# Altium PCB PCB1.PcbDoc
Units mm, origin at the board's own origin, x right, y up, seen from the top; angles counter-clockwise.
Board outline 152.4 x 101.6 mm, 4 copper layers (Top Layer, Mid-Layer 1, Mid-Layer 2, Bottom Layer); 63 components, 0 nets, 98 pads, 239 vias.
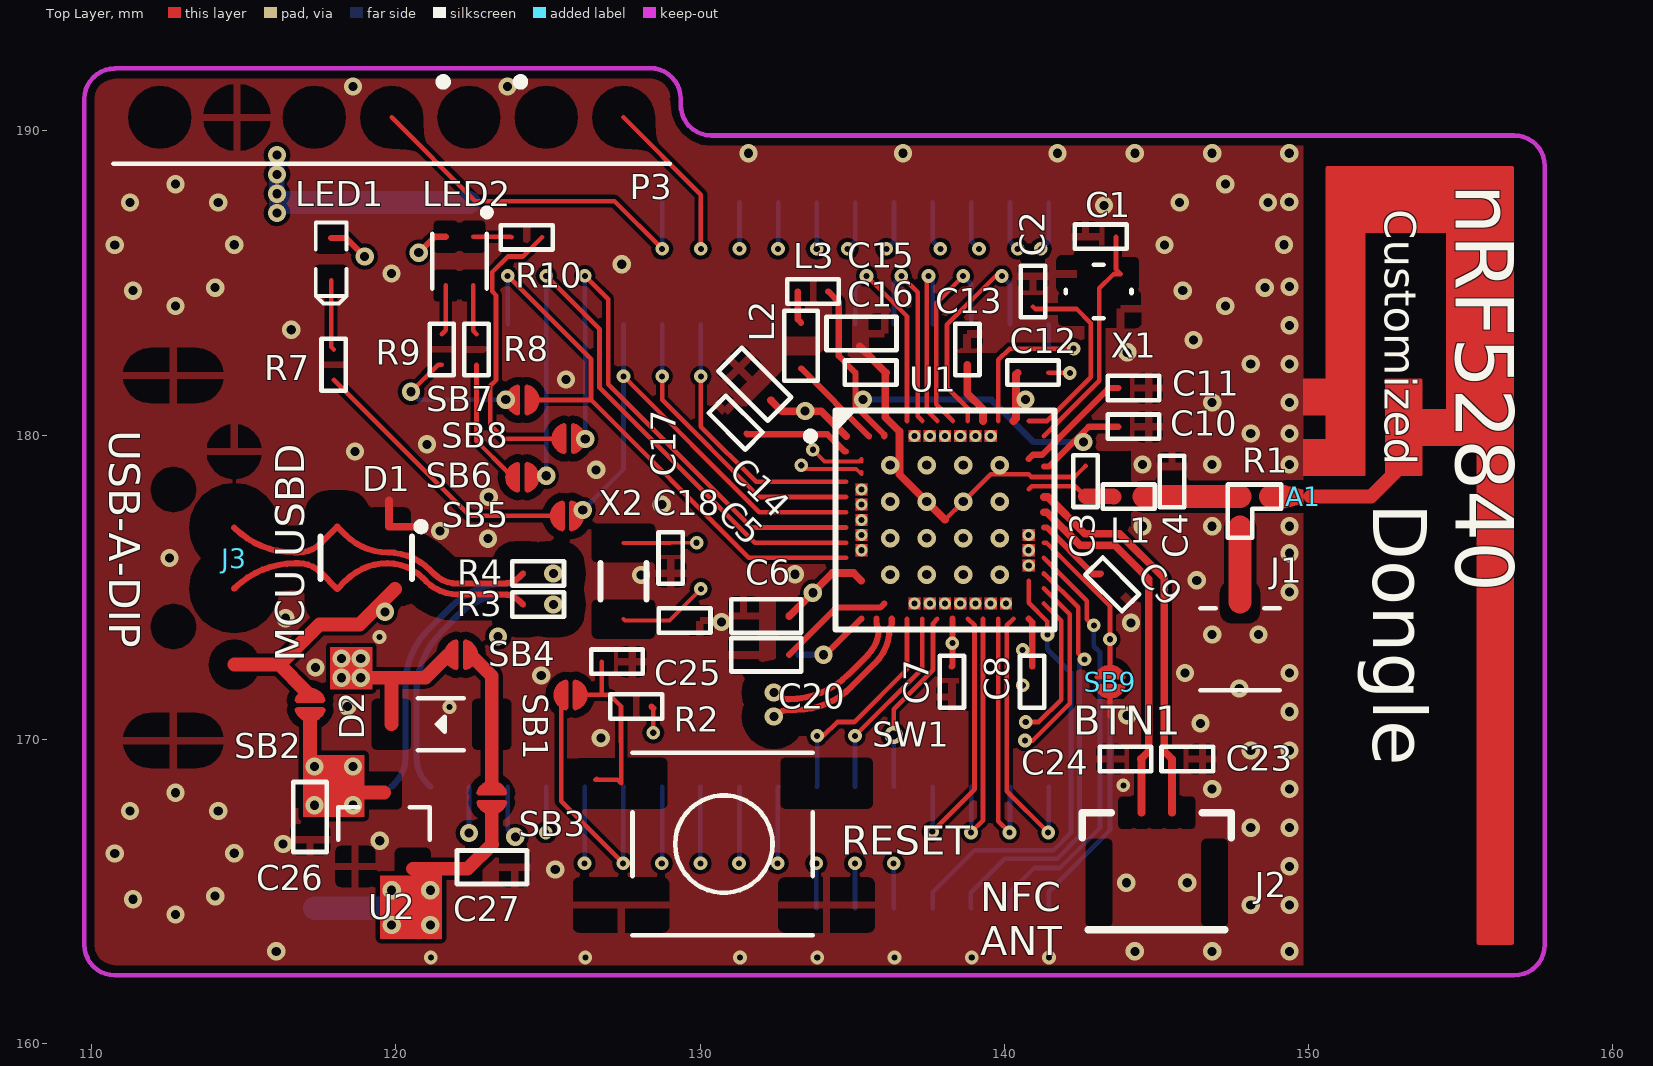
[diagram p0: Top Layer view]
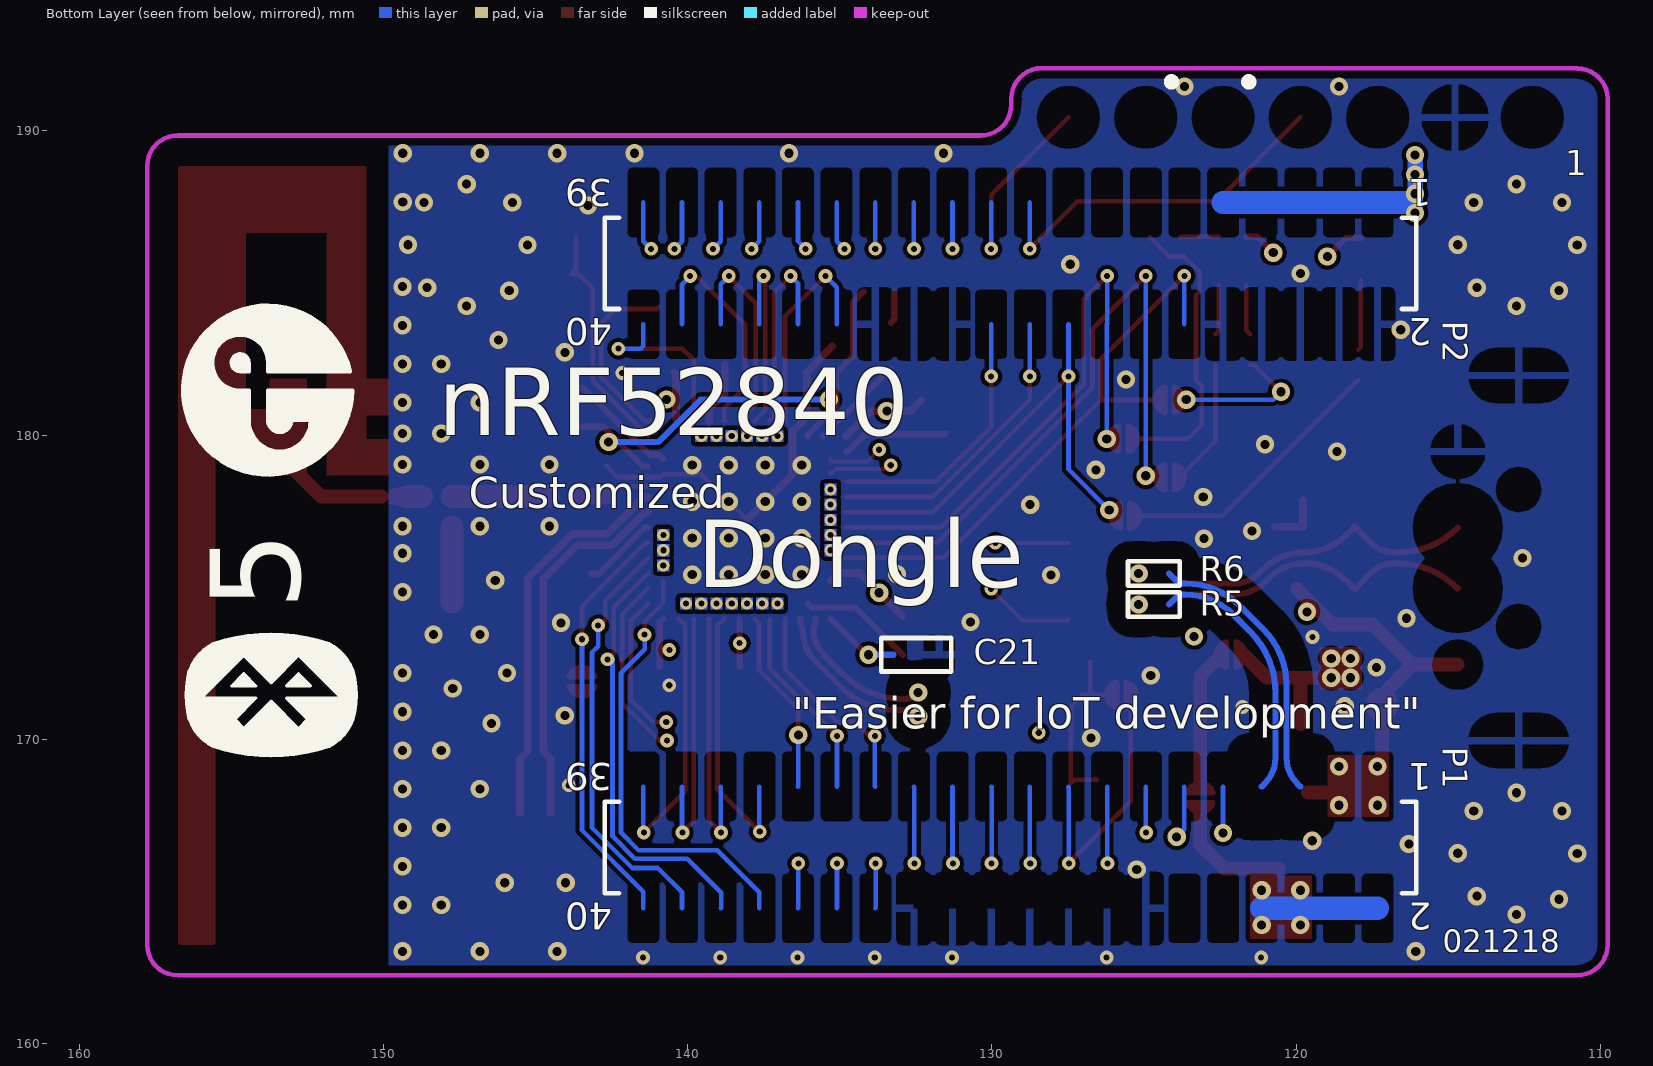
[diagram p1: Bottom Layer view, seen from below]
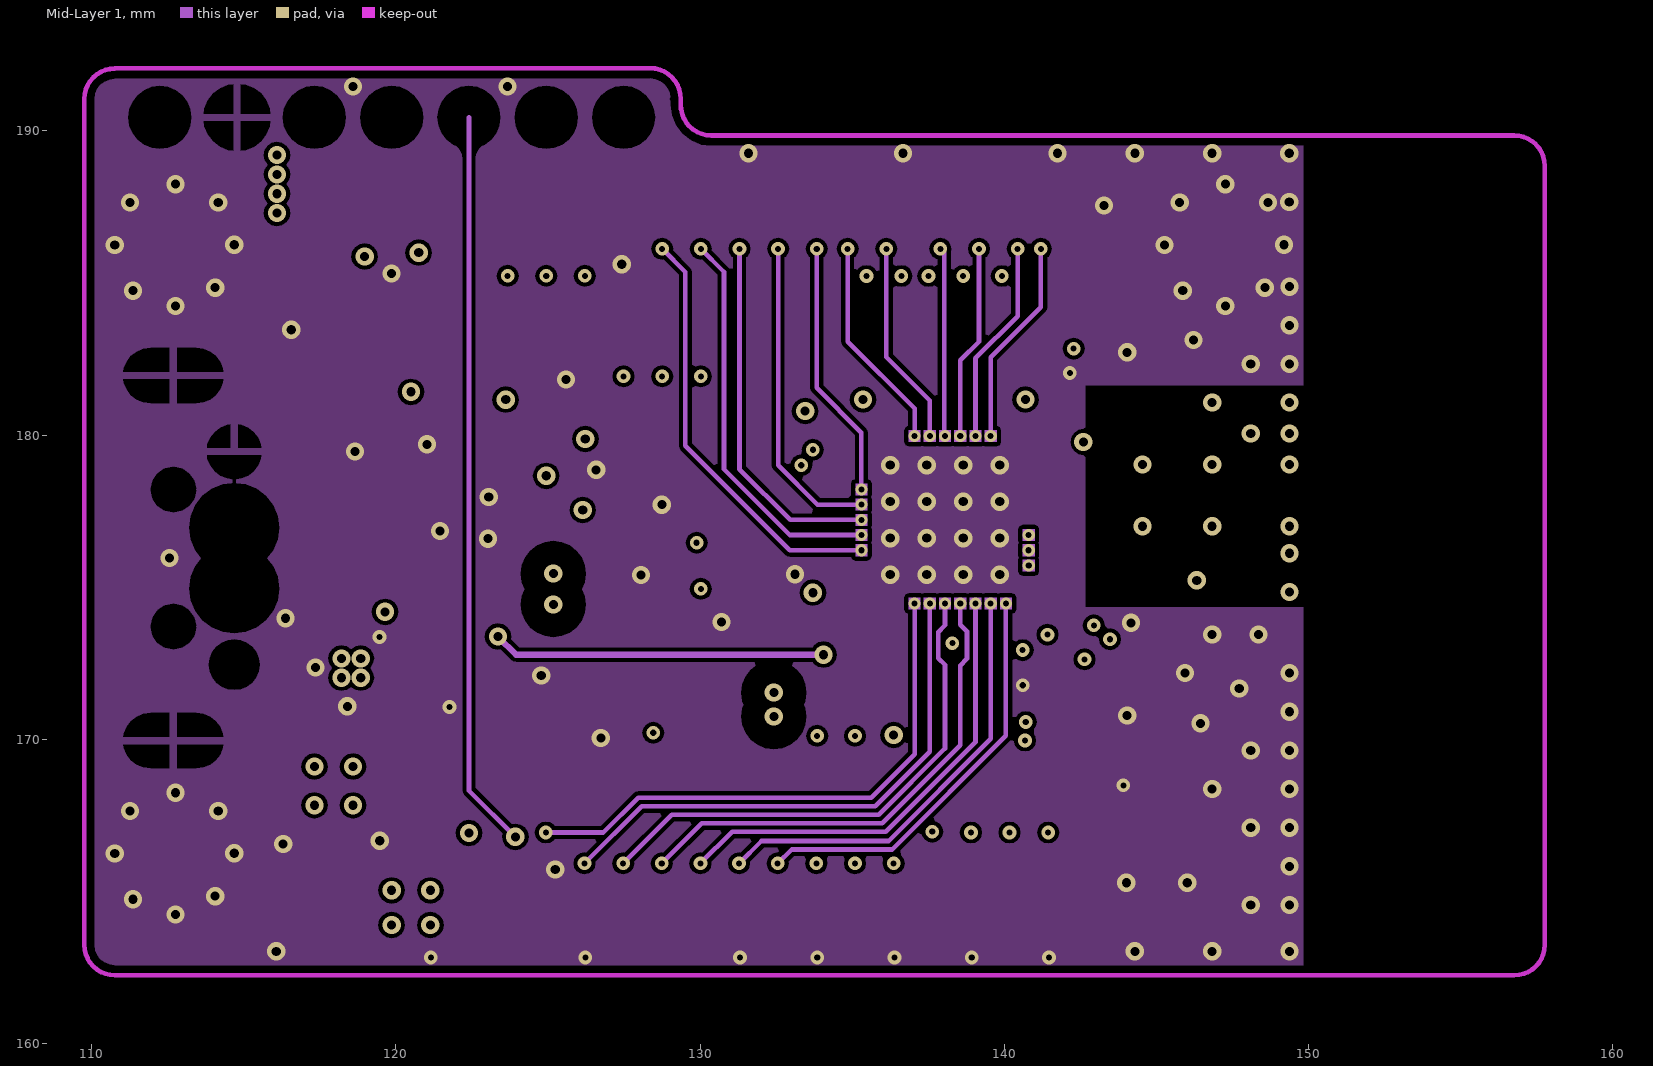
[diagram p2: Mid-Layer 1]
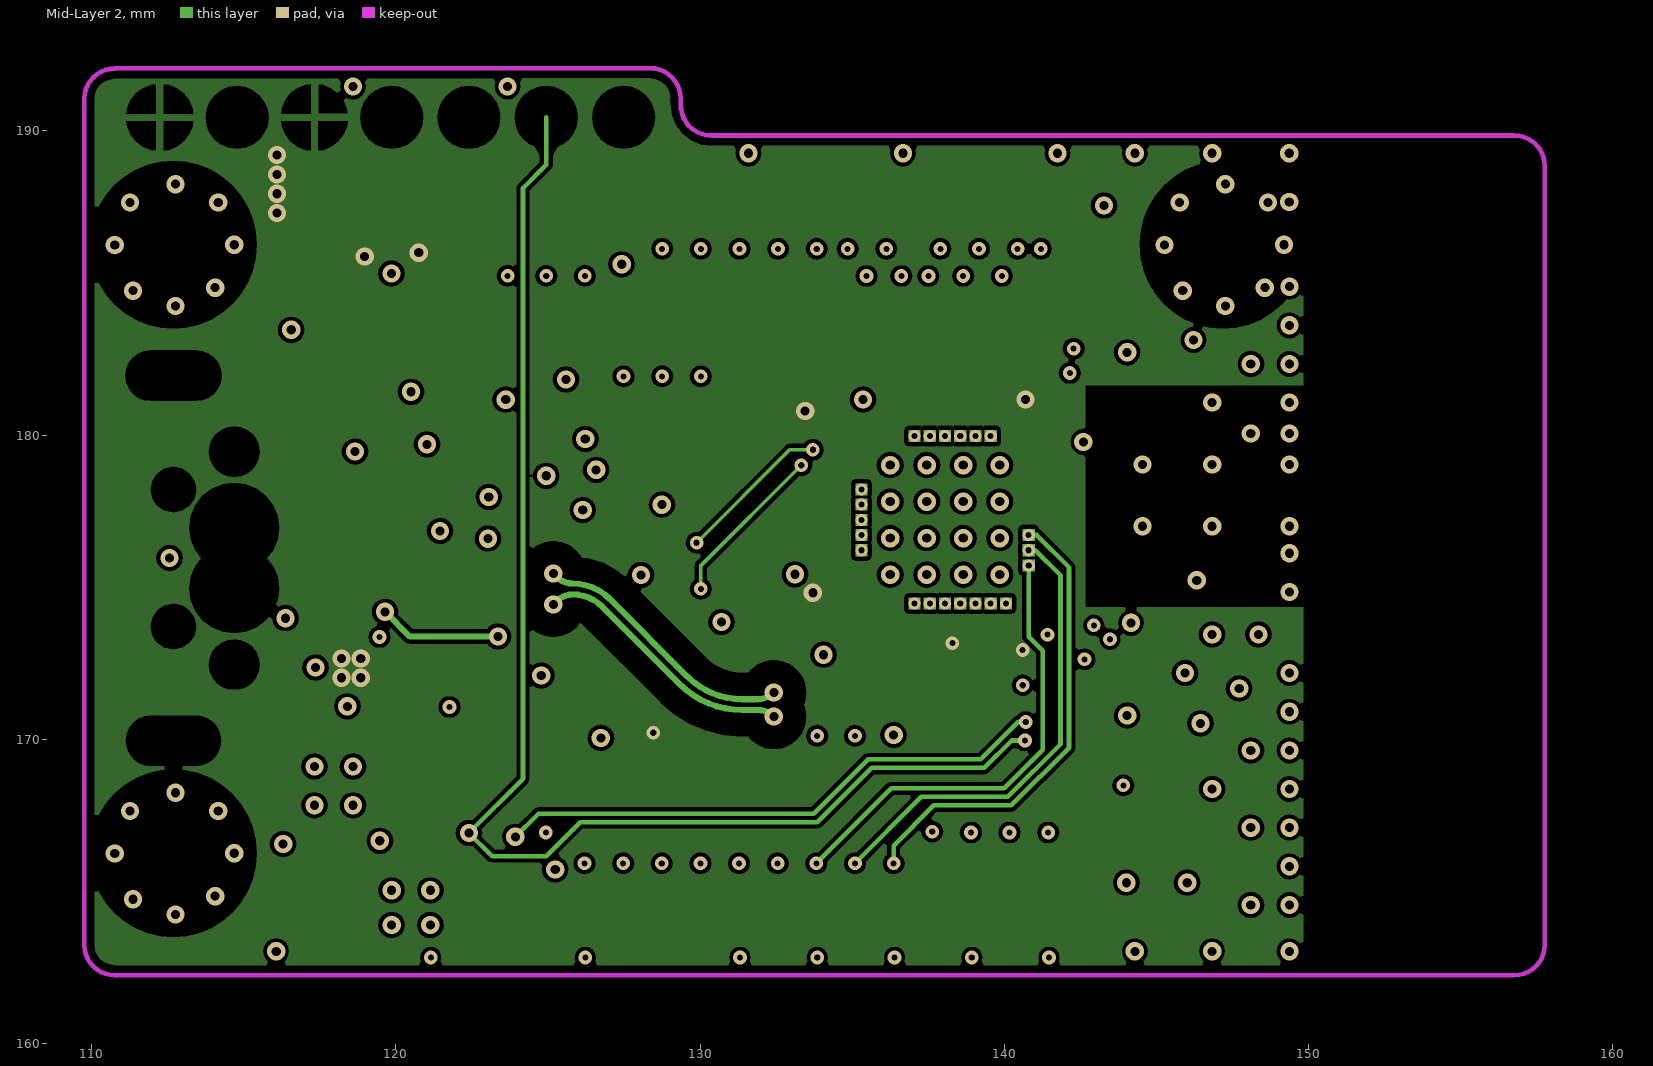
[diagram p3: Mid-Layer 2]

## Layer stack, top to bottom
Top Solder: solder mask 0.0102, Solder Resist, Dk 3.5
Top Layer: signal copper 0.0356
Dielectric 1: dielectric 0.32, FR-4, Dk 4.8
Mid-Layer 1: signal copper 0.0356
Dielectric3: dielectric 0.32, FR-4, Dk 4.8
Mid-Layer 2: signal copper 0.0356
Dielectric2: dielectric 0.32, FR-4, Dk 4.8
Bottom Layer: signal copper 0.0356
Bottom Solder: solder mask 0.0102, Solder Resist, Dk 3.5

## Board outline
25.4,25.4 177.8,25.4 177.8,127 25.4,127

## Design rules (kind name [scope] priority, off if disabled: settings)
Clearance [All] p1: gap=0.254 ignorepadtopadclearanceinfootprint=FALSE except(0: Arc-Hole Track-Hole SMDPad-Hole THPad-Hole Via-Hole Fill-Hole Poly-Hole Region-Hole Text-Hole)
PolygonConnect [All] p1: connectstyle=Relief reliefconductorwidth=0.254 reliefentries=4 polygonreliefangle="90 Angle" airgapwidth=0.254
RoutingVias [All] p1: holewidth=0.711 width=1.27 viastyle="Through Hole" minholewidth=0.711 minwidth=1.27 maxholewidth=0.711 maxwidth=1.27
SolderMaskExpansion [All] p1: expansion=0.102
Width [All] p1: maxlimit=0.254 minlimit=0.254 preferedwidth=0.254
30 further rules are at their usual default settings.

## Components (designator, comment, footprint, x,y, rotation, side; value= is the part's Value field where it differs from the comment)
A1 "IFA Antenna" IFA_ANTENNA 149.831,177.98 r270 top
C1 "12pF" "0402 imperial"#1 143.17,186.526 r180 top
C2 "12pF" "0402 imperial"#1 140.943,184.723 r90 top
C3 "1.0pF" "0402 imperial"#1 142.668,178.488 r270 top
C4 "1.0pF" "0402 imperial"#1 145.513,178.48 r270 top
C5 "100nF" "0402 imperial"#1 131.169,180.41 r315 top
C6 "4.7µF" 0603_Imperial#1 132.18,174.055 r0 top
C7 "100nF" "0402 imperial"#1 138.276,171.896 r90 top
C8 "100nF" "0402 imperial"#1 140.918,171.896 r90 top
C9 "820pF" "0402 imperial"#1 143.551,175.096 r135 top
C10 "N.C." "0402 imperial"#1 144.245,180.278 r0 top
C11 "100pF" "0402 imperial"#1 144.245,181.548 r0 top
C12 "100nF" "0402 imperial"#1 140.943,182.056 r180 top
C13 "N.C." "0402 imperial"#1 138.784,182.818 r270 top
C14 "1µF" 0603_Imperial#1 131.799,181.675 r315 top
C15 "1µF" 0603_Imperial#1 135.309,183.345 r180 top
C16 "47nF" "0402 imperial"#1 135.609,182.056 r180 top
C17 "12pF" "0402 imperial"#1 129.035,175.965 r90 top
C18 "12pF" "0402 imperial"#1 129.493,173.908 r180 top
C20 "4.7µF" 0603_Imperial#1 132.18,172.785 r0 top
C21 "4.7µF" 0603_Imperial#2 132.485,172.785 r0 bottom
C23 "300pF" "0402 imperial"#1 146.015,169.356 r0 top
C24 "300pF" "0402 imperial"#1 143.983,169.356 r0 top
C25 "100nF" "0402 imperial"#1 127.27,172.556 r180 top
C26 "1µF" 0603_Imperial#1 117.186,167.451 r90 top
C27 "1µF" 0603_Imperial#1 123.163,165.8 r180 top
D1 "PRTR5V0U2X" SOT190P230X110-4L 119.03,175.969 r270 top
D2 "DIODE S4" SOD-123 119.855,170.499 r0 top
J1 "Ipex" HRS_U.FL-R-SMT 147.748,172.976 r180 top
J2 "FPC 0.5mm RA SMD" FPC_05P-0.5mm-RA-SMD 145.012,163.842 r0 top
J3 "USB-A-Male" USB-A-DIP 114.691,175.96 r270 top
L1 "3.9nH" "0402 imperial"#1 144.091,177.98 r0 top
L2 "10µH" 0603_Imperial#1 133.323,182.945 r90 top
L3 "15nH" "0402 imperial"#1 133.712,184.723 r0 top
LED1 "Green" LED_0603 117.877,185.088 r90 top
LED2 "RGB" LED_0603_RGB 122.095,185.723 r270 top
P1 "*" CONN1.27MM2x20_FM_SMD 116.691,166.451 r0 bottom
P2 "*" CONN1.27MM2x20_FM_SMD 116.691,185.649 r0 bottom
P3 "7p, 2.54mm" CONN2.54MM7P 112.246,190.443 r0 top
R1 "Res Selector" RES_SELECTOR_0402 147.748,177.98 r0 top value=0R
R2 "100K" "0402 imperial"#1 127.905,171.083 r0 top
R3 "0R" "0402 imperial"#1 124.679,174.436 r0 top
R4 "0R" "0402 imperial"#1 124.679,175.452 r0 top
R5 "0R" "0402 imperial"#2 124.679,174.436 r0 bottom
R6 "0R" "0402 imperial"#2 124.679,175.452 r0 bottom
R7 "10K" "0402 imperial"#1 117.961,182.315 r90 top
R8 "xx" "0402 imperial"#1 122.655,182.818 r90 top
R9 "xx" "0402 imperial"#1 121.512,182.818 r90 top
R10 "xx" "0402 imperial"#1 124.306,186.501 r180 top
SB1 "Solderbridge" Solderbridge#1 125.746,171.464 r0 top
SB2 "Solderbridge" Solderbridge#1 117.186,171.134 r270 top
SB3 "Solderbridge" Solderbridge#2 123.155,168.086 r270 top
SB4 "Solderbridge" Solderbridge#3 122.139,172.785 r0 top
SB5 "Solderbridge" Solderbridge#2 125.625,177.347 r0 top
SB6 "Solderbridge" Solderbridge#3 124.16,178.617 r0 top
SB7 "Solderbridge" Solderbridge#1 124.16,181.157 r0 top
SB8 "Solderbridge" Solderbridge#1 125.684,179.887 r0 top
SB9 "Solderbridge" Solderbridge#1 143.475,171.896 r270 top
SW1 "PB SW" Switch-PB-6.2x6.3mm-SMD 130.783,166.562 r180 top
U1 "nRF52840-QIAA" AQFN50P700X700X85_HS-74N 138.052,177.218 r0 top
U2 "XC6206P332MR" SOT-23 119.612,167.075 r0 top
X1 "32MHz" XTAL_2016 143.102,184.723 r180 top
X2 "32.768kHz" XTAL_3215 127.486,175.203 r90 top

## Footprints (in the part's own frame and the unit in brackets; to place one, negate y for a bottom-side part, rotate by r counter-clockwise, add the part's x,y. Pads: shape width x height; smd on the part's side, far side on the other; paste and mask are expansions set on the pad)
"0402 imperial"#1 [mm] "R, L, C"
  silkscreen extent -0.85,-0.4 0.85,0.4, body extent -0.51,-0.25 0.51,0.25, height 0.5
"0402 imperial"#2 [mm] "R, L, C"
  rect 0.5x0.6 on Top Paste: 1(-0.5,0) 2(0.5,0)
  silkscreen extent -0.85,-0.4 0.85,0.4, body extent -0.51,-0.25 0.51,0.25, height 0.5
0603_Imperial#1 [mm]
  silkscreen extent -1.15,-0.55 1.15,0.55, body extent -0.8,-0.43 0.8,0.43, height 0.8
0603_Imperial#2 [mm]
  rect 0.6x0.9 on Top Paste: 1(-0.75,0) 2(0.75,0)
  silkscreen extent -1.15,-0.55 1.15,0.55, body extent -0.8,-0.43 0.8,0.43, height 0.8
AQFN50P700X700X85_HS-74N [mm]
  silkscreen extent -4.55,-3.6 3.6,3.6, body extent -3.55,-3.55 3.55,3.55, height 0.85
CONN1.27MM2x20_FM_SMD [mm]
  rect 0.76x2 on Top Paste: 1(0.635,-2) 2(0.635,2) 3(1.905,-2) 4(1.905,2) 5(3.175,-2) 6(3.175,2) 7(4.445,-2) 8(4.445,2) 9(5.715,-2) 10(5.715,2) 11(6.985,-2) 12(6.985,2) 13(8.255,-2) 14(8.255,2) 15(9.525,-2) 16(9.525,2) 17(10.795,-2) 18(10.795,2) 19(12.065,-2) 20(12.065,2) 21(13.335,-2) 22(13.335,2) 23(14.605,-2) 24(14.605,2) 25(15.875,-2) 26(15.875,2) 27(17.145,-2) 28(17.145,2) 29(18.415,-2) 30(18.415,2) 31(19.685,-2) 32(19.685,2) 33(20.955,-2) 34(20.955,2) 35(22.225,-2) 36(22.225,2) 37(23.495,-2) 38(23.495,2) 39(24.765,-2) 40(24.765,2)
  silkscreen extent -0.64,-1.5 26.04,1.5, body extent -0.61,-1.49 26.04,1.5, height 4.3
CONN2.54MM7P [mm]
  silkscreen extent -1.52,-1.52 16.76,-1.52
FPC_05P-0.5mm-RA-SMD [mm]
  silkscreen extent -2.45,-0.1 2.45,3.75, body extent -2.3,-0.1 2.3,3.95, height 1.2
HRS_U.FL-R-SMT [mm]
  silkscreen extent -1.3,-1.34 1.3,1.36, body extent -1.5,-1.59 1.5,1.51, height 1.25
IFA_ANTENNA [mm]
  Top Layer region: 14.67,6.91 -10.81,6.91 -10.829,6.906 -10.845,6.895 -10.856,6.879 -10.86,6.86 -10.86,6.86 -10.86,0.79 -10.856,0.771 -10.845,0.754 -10.829,0.744 -10.81,0.74 -10.81,0.74 -3.88,0.74 -3.88,0 -2.67,0 -2.67,0.74 -1.89,0.74 -1.89,0 -0.68,0 -0.68,1.98 -0.684,1.999 -0.695,2.016 -0.711,2.026 -0.73,2.03 -0.73,2.03 -8.68,2.03 -8.68,4.7 -2.88,4.7 -2.88,3.9 -3.83,3.9 -3.849,3.896 -3.866,3.886 -3.877,3.869 -3.88,3.85 -3.88,3.85 -3.88,2.74 -3.873,2.715 -3.855,2.697 -3.83,2.69 -3.83,2.69 -0.68,2.69 -0.68,3.85 -0.684,3.869 -0.695,3.886 -0.711,3.896 -0.73,3.9 -0.73,3.9 -1.68,3.9 -1.68,5.7 14.67,5.7 14.689,5.704 14.705,5.715 14.716,5.731 14.72,5.75 14.72,5.75 14.72,6.785 14.72,6.86 14.713,6.885 14.695,6.903 14.67,6.91
  Top Layer lines w0.46: 0,0.23 0,2.22 -1.07,3.29 -1.07,3.32
LED_0603 [mm]
  silkscreen extent -0.76,-0.51 1.91,0.51, body extent -0.11,-0.4 1.52,0.4, height 0.6
LED_0603_RGB [mm]
  silkscreen extent -1.7,-0.9 0.9,1, body extent -0.8,-0.75 0.8,0.75, height 0.34
RES_SELECTOR_0402 [mm] "R"
  silkscreen extent -0.4,-1.35 1.35,0.4, body extent -0.01,-0.25 1.01,0.25, height 1.01
SOD-123 [mm]
  silkscreen extent 0.87,-0.85 2.37,0.85, body extent -0.2,-0.8 3.5,0.8, height 1.27
Solderbridge#1 [mm]
  Top Layer region: -0.077,-0.432 -0.152,-0.505 -0.271,-0.467 -0.335,-0.424 -0.409,-0.351 -0.462,-0.292 -0.521,-0.193 -0.549,-0.099 -0.544,0.122 -0.518,0.193 -0.434,0.33 -0.351,0.411 -0.259,0.469 -0.157,0.5 -0.107,0.483 -0.077,0.43
  Top Layer region: 0.077,0.432 0.152,0.505 0.271,0.467 0.335,0.424 0.409,0.351 0.462,0.292 0.521,0.193 0.549,0.099 0.544,-0.122 0.518,-0.193 0.434,-0.33 0.351,-0.411 0.259,-0.469 0.157,-0.5 0.107,-0.483 0.077,-0.43
  Top Layer lines w0.152: -0.153,-0.431 cw(c-0.042,0) -0.312,-0.353 cw(c-0.042,0) -0.487,0 cw(c-0.042,0) -0.153,0.431 ; 0.153,-0.431 ccw(c0.042,0) 0.153,0.431
Solderbridge#2 [mm]
  Top Layer region: -0.077,-0.432 -0.152,-0.505 -0.271,-0.467 -0.335,-0.424 -0.409,-0.351 -0.462,-0.292 -0.521,-0.193 -0.549,-0.099 -0.544,0.122 -0.518,0.193 -0.434,0.33 -0.351,0.411 -0.259,0.469 -0.157,0.5 -0.107,0.483 -0.077,0.43
  Top Layer region: 0.077,0.432 0.152,0.505 0.271,0.467 0.335,0.424 0.409,0.351 0.462,0.292 0.521,0.193 0.549,0.099 0.544,-0.122 0.518,-0.193 0.434,-0.33 0.351,-0.411 0.259,-0.469 0.157,-0.5 0.107,-0.483 0.077,-0.43
  Top Layer lines w0.152: 0.153,-0.431 ccw(c0.042,0) 0.153,0.431 ; -0.153,-0.431 cw(c-0.042,0) -0.487,0 cw(c-0.042,0) -0.153,0.431
Solderbridge#3 [mm]
  Top Layer region: -0.077,-0.432 -0.152,-0.505 -0.271,-0.467 -0.335,-0.424 -0.409,-0.351 -0.462,-0.292 -0.521,-0.193 -0.549,-0.099 -0.544,0.122 -0.518,0.193 -0.434,0.33 -0.351,0.411 -0.259,0.469 -0.157,0.5 -0.107,0.483 -0.077,0.43
  Top Layer region: 0.077,0.432 0.152,0.505 0.271,0.467 0.335,0.424 0.409,0.351 0.462,0.292 0.521,0.193 0.549,0.099 0.544,-0.122 0.518,-0.193 0.434,-0.33 0.351,-0.411 0.259,-0.469 0.157,-0.5 0.107,-0.483 0.077,-0.43
  Top Layer lines w0.152: -0.153,-0.431 cw(c-0.042,0) -0.461,-0.149 cw(c-0.042,0) -0.481,-0.075 cw(c-0.042,0) -0.487,0 cw(c-0.042,0) -0.153,0.431 ; 0.153,-0.431 ccw(c0.042,0) 0.461,-0.149 ccw(c0.042,0) 0.153,0.431
SOT190P230X110-4L [mm]
  silkscreen extent -1.15,-1.5 0.7,1.93, body extent -1.21,-1.46 1.21,1.46, height 1
SOT-23 [mm] "1-G 2-S 3-D"
  silkscreen extent -1.51,-0.38 1.5,0.69, body extent -1.52,-1.23 1.48,1.27, height 1.06
Switch-PB-6.2x6.3mm-SMD [mm]
  silkscreen extent -2.93,-3 3,3, body extent -4,-3 4,3.3, height 3.1
USB-A-DIP [mm]
  body extent -6.3,-19.72 6.3,0.2, height 4.5
XTAL_2016 [mm]
  silkscreen extent -1.08,-0.88 1.08,0.88, body extent -1.05,-0.85 1.05,0.85, height 0.56
XTAL_3215 [mm]
  silkscreen extent -0.6,-0.75 0.6,0.75, body extent -1.6,-0.75 1.6,0.75, height 0.81
